# Altium PCB STM32_Controller.PcbDoc
Units mil, origin at the board's own origin, x right, y up, seen from the top; angles counter-clockwise.
Board outline 2204.72 x 1929.13 mil, 2 copper layers (Top Layer, Bottom Layer); 83 components, 55 nets, 215 pads, 49 vias.
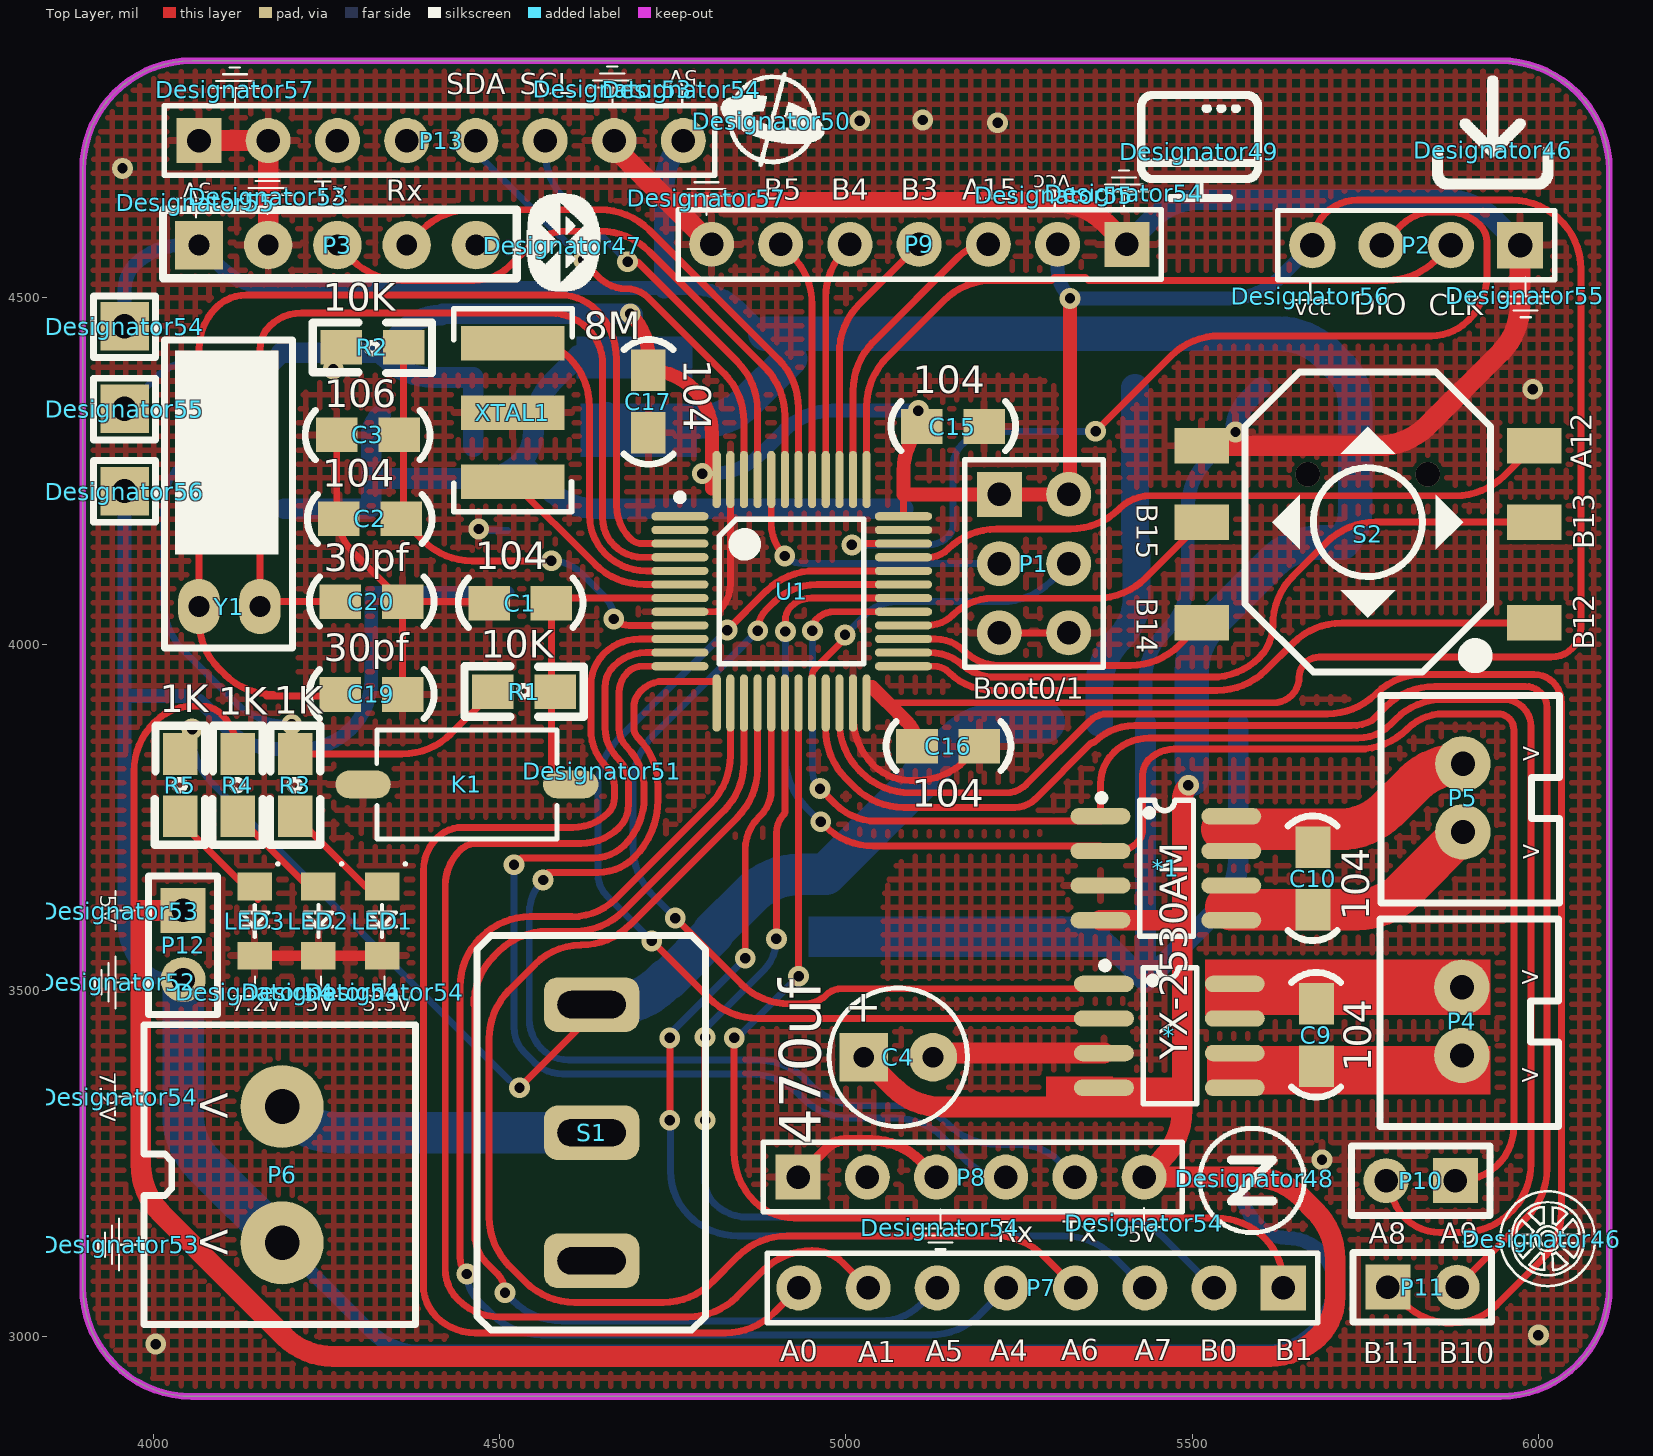
[diagram p0: Top Layer view]
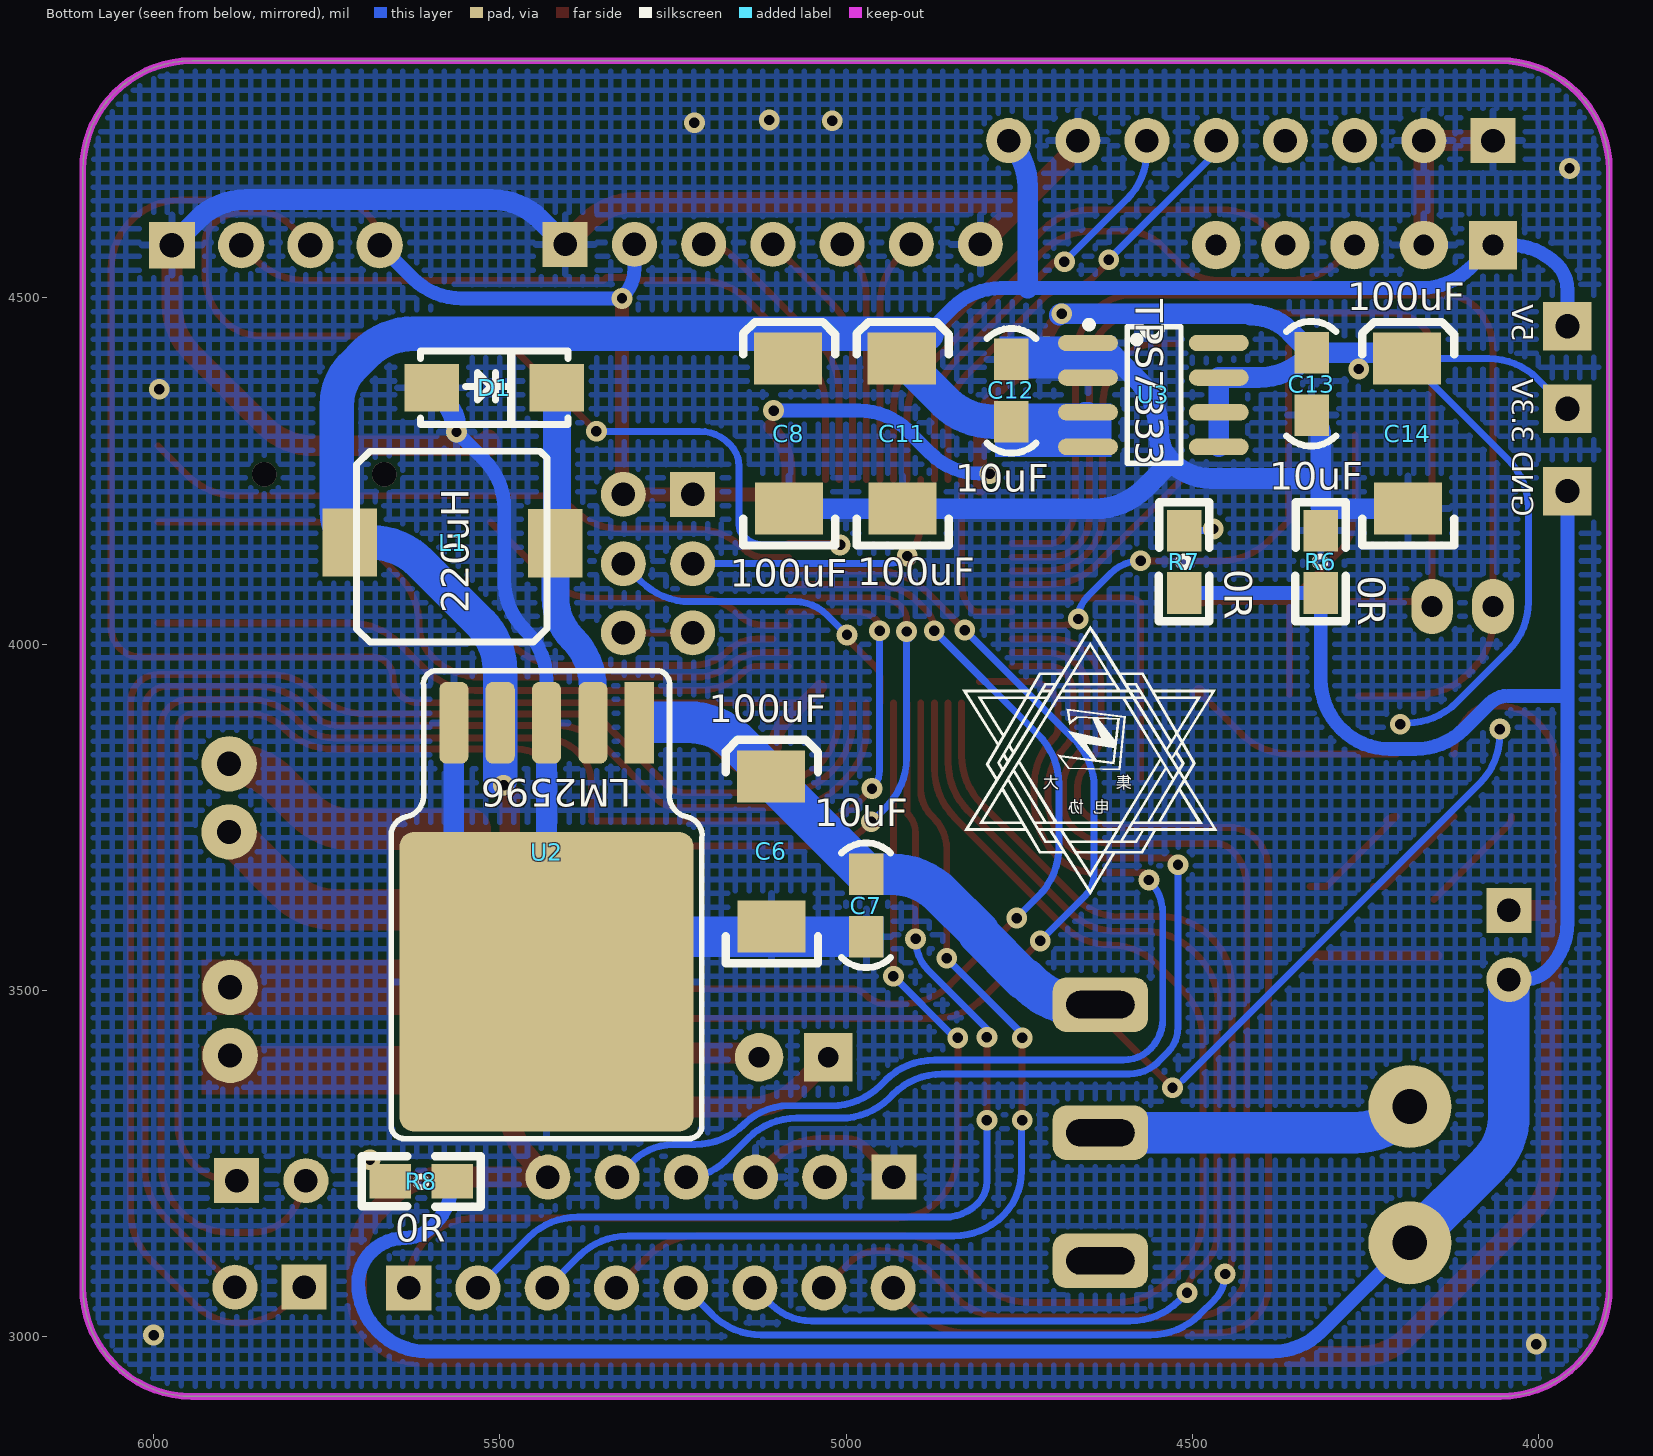
[diagram p1: Bottom Layer view, seen from below]

## Layer stack, top to bottom
Top Solder: solder mask 0.4, Solder Resist, Dk 3.5
Top Layer: signal copper 1.4
Dielectric 1: dielectric 12.6, FR-4, Dk 4.8
Bottom Layer: signal copper 1.4
Bottom Solder: solder mask 0.4, Solder Resist, Dk 3.5

## Board outline
3897.64,3070.87 3897.64,4685.04 cw(c4055.12,4685.04) 4055.12,4842.52 5944.88,4842.52 cw(c5944.88,4685.04) 6102.36,4685.04 6102.36,3070.87 cw(c5944.88,3070.87) 5944.88,2913.39 4055.12,2913.39 cw(c4055.12,3070.87)

## Design rules (kind name [scope] priority, off if disabled: settings)
Clearance [All] p1: gap=6
PolygonConnect [All] p1: connectstyle=Relief reliefconductorwidth=10 reliefentries=4 polygonreliefangle="90 Angle" airgapwidth=10
RoutingVias [All] p1: holewidth=28 width=50 viastyle="Through Hole" minholewidth=28 minwidth=50 maxholewidth=28 maxwidth=50
SolderMaskExpansion [All] p1: expansion=4
Width [All] p1: maxlimit=60 minlimit=10 preferedwidth=10 minimp=50.000000 maximp=50.000000 favimp=50.000000
30 further rules are at their usual default settings.

## Classes and differential pairs
component class STM32主控一体板: * *1 C1 C2 C3 C4 C6 C7 C8 C9 C10 C11 C12 C13 C14 C15 C16 C17 C19 C20 D1 K1 LED1 LED2 LED3 P1 P2 P3 P4 P5 P6 P7 P8 P9 P10 P11 P12 P13 R1 R2 R3 R4 R5 R6 R7 R8 S1 S2 U1 U2 U3 XTAL1 Y1

## Components (designator, comment, footprint, x,y, rotation, side; value= is the part's Value field where it differs from the comment)
* "YX-2530AM" SOP-8 5374.01,3508.26 r0 top
*1 "YX-2530AM" SOP-8 5369.03,3750.26 r0 top
C1 "104" 0805C 4489.52,4059.26 r0 top
C2 "104" 0805C 4352.52,4181.26 r180 top
C3 "106" 0805C 4349.52,4302.26 r180 top
C4 "470uf" RB.1.2 5025.52,3403.26 r0 top
C6 "100uF" TAJ-C 5108.52,3808.99 r90 bottom
C7 "10uF" 0805C 4970.52,3582.26 r90 bottom
C8 "100uF" TAJ-C 5083.52,4412.26 r90 bottom
C9 "104" 0805C 5679.52,3395.26 r90 top
C10 "104" 0805C 5674.52,3621.26 r90 top
C11 "100uF" TAJ-C 4919.52,4412.26 r90 bottom
C12 "10uF" 0805C 4761.52,4406.26 r270 bottom
C13 "10uF" 0805C 4327.52,4335.62 r90 bottom
C14 "100uF" TAJ-C 4189.52,4412.26 r90 bottom
C15 "104" 0805C 5114.52,4314.26 r0 top
C16 "104" 0805C 5107.52,3852.26 r0 top
C17 "104" 0805C 4714.52,4390.26 r270 top
C19 "30pf" 0805C 4274.52,3927.26 r0 top
C20 "30pf" 0805C 4274.52,4061.26 r0 top
D1 "D" SMA/DO-214AC 5591.52,4369.26 r180 bottom
Designator46 "Comment" LOGO_Wheel 6005,3141 r0 top
Designator46 "Comment" LOGO_Load 5935,4714 r0 top
Designator47 "Comment" LOGO_Buletooth 4591,4576 r0 top
Designator48 "Comment" LOGO_Zigbee 5590.55,3228.35 r0 top
Designator49 "Comment" LOGO_Display 5510,4712 r0 top
Designator50 "Comment" LOGO_Gyro 4893,4756 r0 top
Designator51 "Comment" 电协LOGO 4648,3817 r0 top
Designator52 "Comment" LOGO_GND 3947,3512 r270 top
Designator53 "Comment" LOGO_GND 3952,3133 r270 top
Designator53 "Comment" LOGO_Vcc 3951,3615 r270 top
Designator53 "Comment" LOGO_GND 4663,4802 r180 top
Designator53 "Comment" LOGO_GND 4165,4647 r180 top
Designator54 "Comment" LOGO_Vcc 4763,4801 r180 top
Designator54 "Comment" LOGO_Vcc 3950,3346 r270 top
Designator54 "Comment" LOGO_GND 5402,4652 r180 top
Designator54 "Comment" LOGO_Vcc 5431,3164 r0 top
Designator54 "Comment" LOGO_GND 5136,3158 r0 top
Designator54 "Comment" LOGO_Vcc 4242,3498 r0 top
Designator54 "Comment" LOGO_Vcc 4147,3498 r0 top
Designator54 "Comment" LOGO_Vcc 4334,3498 r0 top
Designator54 "Comment" "HEADER 1" 3963,4459 r0 top
Designator55 "Comment" LOGO_Vcc 4061,4638 r180 top
Designator55 "Comment" LOGO_Vcc 5301,4649 r180 top
Designator55 "Comment" LOGO_GND 5981,4504 r0 top
Designator55 "Comment" "HEADER 1" 3963,4340 r0 top
Designator56 "Comment" LOGO_Vcc 5671,4503 r0 top
Designator56 "Comment" "HEADER 1" 3963,4221 r0 top
Designator57 "Comment" LOGO_GND 4799,4645 r180 top
Designator57 "Comment" LOGO_GND 4118,4801 r180 top
K1 "Key" 贴片按键 4596.81,3800.06 r180 top
L1 "220uH" "电感 220uh" 5421.52,4148.26 r0 bottom
LED1 "LED" 0805LED(RED) 4335,3647 r270 top
LED2 "LED" 0805LED(GREEN) 4240.02,3647.98 r270 top
LED3 "LED" 0805LED(BLUE) 4148,3645.03 r270 top
P1 "Header 3X2" "Header 3X2" 5218.58,4217.78 r0 top
P2 "Header 4" "Header 4(排母)" 5974.9,4576.85 r180 top
P3 "Header 5" "Header 5" 4065.52,4576.32 r90 top
P4 "2PIN" 接线端子(2.54mm)-2PIN 5887.08,3400.42 r90 top
P5 "2PIN" 接线端子(2.54mm)-2PIN 5888.52,3723.26 r90 top
P6 "2PIN" 接线端子-2P-5.0MM 4189.46,3320.3 r270 top
P7 "Header 8" "Header 8" 5331.52,3070.09 r270 top
P8 "Header 6" "Header 6" 4930.77,3231.28 r90 top
P9 "Header 7" "Header 7" 5104.52,4577.26 r270 top
P10 "Header 2" "Header 2" 5777.99,3225.81 r270 top
P11 "Header 2" "Header 2" 5884.52,3070.34 r90 top
P12 "Header 2" "Header 2" 4041.71,3513.25 r0 top
P13 "Header 8" "Header 8" 4365.52,4727.26 r90 top
R1 "10K" 0805R 4575.52,3932.26 r180 top
R2 "10K" 0805R 4275.52,4427.26 r0 top
R3 "1K" 0805R 4203.52,3836.75 r270 top
R4 "1K" 0805R 4120.52,3836.75 r270 top
R5 "1K" 0805R 4037.52,3836.75 r270 top
R6 "0R" 0805R 4315.52,4159.26 r270 bottom
R7 "0R" 0805R 4512.72,4159.26 r270 bottom
R8 "0R" 0805R 5654.01,3223.06 r180 bottom
S1 "钮子开关" 钮子开关(大) 4631.52,3113.22 r90 top
S2 "按键" 5轴按键 5752.52,4179.26 r180 top
U1 "STM32F103C8T6" LQFP-48 4921.52,4076.26 r0 top
U2 "LM2596" TO-263-5 5435.27,3512.13 r0 bottom
U3 "TPS7333" SOP-8 4649.03,4433.86 r180 bottom
XTAL1 "8M" 三脚贴片8M晶振 4516.16,4434.5 r0 top
Y1 "XTAL" CAS-309 4092.52,4050.26 r180 top

## Footprints (in the part's own frame and the unit in brackets; to place one, negate y for a bottom-side part, rotate by r counter-clockwise, add the part's x,y. Pads: shape width x height; smd on the part's side, far side on the other; paste and mask are expansions set on the pad)
5轴按键 [mm]
  rect 2x1.3 smd: 1(-6.128,3.778) 2(-6.128,0.078) 3(-6.128,-2.722) 4(6.072,3.778) 5(6.072,0.078) 6(6.072,-2.722)
  silkscreen extent -4.53,-5.42 4.47,5.58
0805C [mil]
  rect 60x50 smd: 1(-5,0) 2(85,0)
  silkscreen extent -50,-35 131,36, body extent -16,-26 102,29, height 37
0805LED(BLUE) [mil]
  rect 40x50 smd: 1(-4.95,-2) 2(95.05,-2)
  silkscreen extent -39,-22 68,33, body extent 3,-29 85,25, height 31
0805LED(GREEN) [mil]
  rect 40x50 smd: 1(-2,-2) 2(98,-2)
  silkscreen extent -36,-22 71,33, body extent 7,-27 87,23, height 43
0805LED(RED) [mil]
  rect 40x50 smd: 1(-2.98,-4.95) 2(97.02,-4.95)
  silkscreen extent -37,-25 70,31, body extent 13,-25 80,11, height 35
0805R [mil]
  rect 60x50 smd: 1(-4.51,1.2) 2(85.49,1.2)
  silkscreen extent -46,-36 126,37, body extent -6,-25 84,29, height 30
CAS-309 [mil]
  oval 60x80 hole 30: 1(-61,-4) 2(27,-4)
  silkscreen extent -108,-389 77,56, body extent -75,-390 43,58, height 118
"HEADER 1" [mil]
  rect 70x70 hole 35: 1(-5,0)
  silkscreen extent -50,-45 40,44
"Header 2" [mil]
  rect 65x65 hole 34: 1(0.81,102.01)
  round 65 hole 34: 2(0.81,2.01)
  silkscreen extent -49,-48 51,152, body extent -46,-50 54,150, height 315
"Header 3X2" [mil]
  rect 65x65 hole 34: 1(2.94,-1.52)
  round 65 hole 34: 2(102.94,-1.52) 3(2.94,-101.52) 4(102.94,-101.52) 5(2.94,-201.52) 6(102.94,-201.52)
  silkscreen extent -47,-252 153,48, body extent -46,-254 154,46, height 338
"Header 4(排母)" [mm]
  rect 1.7x1.7 hole 0.9: 1(0.035,0.015)
  round 1.7 hole 0.9: 2(2.575,0.015) 3(5.115,0.015) 4(7.655,0.015)
  silkscreen extent -1.23,-1.25 8.93,1.29, body extent -1.23,-1.25 8.93,1.29, height 8.5
"Header 5" [mil]
  rect 70x70 hole 30: 1(0,0)
  round 70 hole 30: 2(0,-100) 3(0,-200) 4(0,-300) 5(0,-400)
  silkscreen extent -48,-459 51,52, body extent -51,-450 49,50, height 336
"Header 6" [mil]
  rect 65x65 hole 34: 1(-1.02,0.06)
  round 65 hole 34: 2(-1.02,-99.94) 3(-1.02,-199.94) 4(-1.02,-299.94) 5(-1.02,-399.75) 6(-1.02,-499.75)
  silkscreen extent -51,-555 49,50, body extent -50,-554 50,46, height 336
"Header 7" [mil]
  rect 65x65 hole 34: 1(0,301)
  round 65 hole 34: 2(0,201) 3(0,101) 4(0,1) 5(0,-98.8) 6(0,-198.8)
  round 65 hole 34 paste+0: 7(0,-298.61)
  silkscreen extent -50,-347 50,351, body extent -50,-349 50,351, height 336
"Header 8" [mil]
  rect 65x65 hole 34: 1(0,300)
  round 65 hole 34: 2(0,200) 3(0,100) 4(0,0) 5(0,-99.8) 6(0,-199.8) 8(0,-399.61)
  round 65 hole 34 paste+0: 7(0,-299.61)
  silkscreen extent -50,-445 50,350, body extent -49,-451 51,349, height 336
LOGO_Buletooth [mil]
  silkscreen extent -52,-66 54,75
LOGO_Display [mil]
  silkscreen extent -89,-72 90,87
LOGO_GND [mil]
  silkscreen extent -37,-32 38,26
LOGO_Gyro [mil]
  silkscreen extent -74,-66 76,70
LOGO_Load [mil]
  silkscreen extent -88,-57 86,107
LOGO_Vcc [mil]
  silkscreen extent -28,-6 27,21
LOGO_Wheel [mil]
  silkscreen extent -61,-69 79,70
LOGO_Zigbee [mil]
  silkscreen extent -82,-80 74,75
LQFP-48 [mm]
  oval 2.1x0.3 smd: 1(-4.1,2.75) 2(-4.1,2.25) 3(-4.1,1.75) 4(-4.1,1.25) 5(-4.1,0.75) 6(-4.1,0.25) 7(-4.1,-0.25) 8(-4.1,-0.75) 9(-4.1,-1.25) 10(-4.1,-1.75) 11(-4.1,-2.25) 12(-4.1,-2.75) 25(4.1,-2.75) 26(4.1,-2.25) 27(4.1,-1.75) 28(4.1,-1.25) 29(4.1,-0.75) 30(4.1,-0.25) 31(4.1,0.25) 32(4.1,0.75) 33(4.1,1.25) 34(4.1,1.75) 35(4.1,2.25) 36(4.1,2.75)
  oval 0.3x2.1 smd: 13(-2.75,-4.1) 14(-2.25,-4.1) 15(-1.75,-4.1) 16(-1.25,-4.1) 17(-0.75,-4.1) 18(-0.25,-4.1) 19(0.25,-4.1) 20(0.75,-4.1) 21(1.25,-4.1) 22(1.75,-4.1) 23(2.25,-4.1) 24(2.75,-4.1) 37(2.75,4.1) 38(2.25,4.1) 39(1.75,4.1) 40(1.25,4.1) 41(0.75,4.1) 42(0.25,4.1) 43(-0.25,4.1) 44(-0.75,4.1) 45(-1.25,4.1) 46(-1.75,4.1) 47(-2.25,4.1) 48(-2.75,4.1)
  silkscreen extent -4.22,-2.65 2.65,3.57, body extent -4.5,-4.5 4.5,4.5, height 1.5
RB.1.2 [mil]
  rect 70x70 hole 30: 1(0,0)
  round 70 hole 30: 2(100,0)
  silkscreen extent -50,-100 150,100, body extent -28,-73 130,85, height 278
SMA/DO-214AC [mm]
  rect 2x1.75 smd: 1(-0.178,0.025) 2(4.422,0.025)
  silkscreen extent -0.58,-1.32 4.82,1.38, body extent -0.38,-1.32 4.73,1.35, height 2.12
SOP-8 [mm]
  oval 2.2x0.6 smd: 1(-0.038,0.025) 2(-0.038,-1.245) 3(-0.038,-2.515) 4(-0.038,-3.785) 5(4.762,-3.785) 6(4.762,-2.515) 7(4.762,-1.245) 8(4.762,0.025)
  silkscreen extent -0.12,-4.38 3.37,0.82, body extent -0.62,-4.33 5.38,0.58, height 1.7
TAJ-C [mm]
  rect 1.905x2.5 smd: 1(0,0) 2(-5.505,-0.025)
  silkscreen extent -6.86,-1.73 1.35,1.65, body extent -5.77,-1.67 0.23,1.53, height 2.6
TO-263-5 [mm]
  rect 1.07x3 smd: 1(-3.47,-9.503)
  rrect50% 1.07x3 smd: 2(-1.77,-9.503) 3(-0.07,-9.503) 4(1.63,-9.503) 5(3.33,-9.503)
  rrect10% 10.8x11 smd: 6(-0.07,-0.003)
  silkscreen extent -5.77,-11.41 5.63,5.75, body extent -5.21,-9.55 5.02,4.8, height 4.48
三脚贴片8M晶振 [mm] "CSTCC8M00G53-RO"
  rect 3.8x1.27 smd: 1(0.06,-0.006) 2(0.06,-5.086) 3(0.06,-2.546)
  silkscreen extent -2.1,-6.18 2.24,1.26, body extent -1.72,-6.23 1.84,1.26, height 1.5
接线端子(2.54mm)-2PIN [mil]
  round 80 hole 35: 1(5.42,-2.44) 2(103.84,-2.44)
  silkscreen extent -97,-142 202,116, body extent -49,-139 151,111, height 460
接线端子-2P-5.0MM [mil]
  round 120 hole 50: 1(-11.81,-3.94) 2(185.04,-3.94)
  silkscreen extent -130,-203 303,189, body extent -106,-154 287,161, height 433
电协LOGO [mil]
"电感 220uh" [mm]
  rect 2x2.5 smd: 1(-0.048,0.065) 2(7.496,0.04)
  silkscreen extent 0.26,-3.31 7.25,3.69, body extent 0.2,-3.4 7.32,3.71, height 4
贴片按键 [mil]
  oval 80x40 smd: 1(-5.71,2.8) 2(294.29,2.8)
  silkscreen extent 14,-76 274,82, body extent 24,-69 264,77, height 98
钮子开关(大) [mm]
  rrect50% 2x3.5 hole 1 slot 2.5 at 90 deg: 1(-0.102,-0.025) 2(4.598,-0.025) 3(9.298,-0.025)
  silkscreen extent -2.64,-4.21 11.83,4.17

## Part data
C1 C2 C3 C7 C9 C10 C12 C13 C15 C16 C17 C19 C20: library part Cap1, "无极贴片电容"
C4: library part Cap3, "直插极性电容"
C6 C8 C11 C14: library part "Pol Cap", "极性贴片电容"
D1: library part Diode, "二极管"
K1: library part 轻触按键, "轻触开关"
L1: library part L, "电感"
LED1 LED2 LED3: "发光二极管"
P1: "双排排针"
P2 P3 P7 P8 P9 P10 P11 P12 P13: "排针"
P4 P5 P6: library part 接线端子-2PIN
R1 R2 R3 R4 R5 R6 R7 R8: library part Res, "电阻"
S1: "大功率开关"
S2: library part 5轴按键, "5轴按键"
U1: "STM32单片机48引脚"
U2: "5V电源芯片"
U3: "3.3V电源芯片"
XTAL1: library part XTAL三脚贴片晶振
Y1: "两脚直插晶振"

## Via types
v1: diameter 30, hole 15, Top Layer to Bottom Layer, 47 vias
v2: diameter 35.43, hole 35.43, Top Layer to Bottom Layer, 2 vias

## Nets (pads, with @x,y where several pads share a name; then routed paths per layer and width w, separated by ;. In a path a pad name is that pad's centre, name@x,y a point inside that pad or via, vN(x,y) a via of type N, cw(c..) or ccw(c..) an arc to the next point about the centre after c; other vN are vias at no path point)
3.3V: C13.2 C14.1 C15.1 C16.1 C17.1 Designator55.1 P1.1 P1.2 P2.4 P9.2 R1.2 R2.1 R3.1 U1.24 U1.36 U1.48 U3.5 U3.6 U3.7 | length 6039.5
  Top Layer w10: R3.1 4358.81,3841.26 ccw(c4358.81,3941.26) 4429.53,3870.55 R1.2 ; v1(4259.52,4397.26) 4259.52,4400.73 cw(c4298.74,4400.73) R2.1 ; 5059.52,3916.26 ccw(c5060.52,3916.26) 5060.52,3915.26 5617.52,3915.26 ccw(c5617.52,3952.26) 5654.52,3952.26 cw(c5683.52,3952.26) 5683.52,3981.26 6018.52,3981.26 ccw(c6018.52,4024.26) 6061.52,4024.26 6061.52,4541.26 ccw(c5961.52,4541.26) 5961.52,4641.26 5738.52,4641.26 ccw(c5738.52,4576.26) P2.4 ; U1.36 5082.94,4216.26
  Top Layer w20: R1.2 ccw(c4493.19,3931.06) R1.2@4490.96,3928.82 ; v1(4688.52,4477.26) cw(c4625.75,4414.49) 4714.52,4414.49 C17.1 cw(c4714.52,4303.26) 4806.52,4303.26 4806.52,4224.26 ; 5037.52,3938.26 5059.52,3916.26 ; 5060.52,3915.26 5087.67,3888.11 cw(c5051.82,3852.26) C16.1 ; C15.1 ccw(c5173.7,4250.08) 5082.94,4250.08 5082.94,4216.26 P1.1 P1.2 5324.52,4219.26 5323.52,4220.26 v1(5323.52,4499.26)
  Bottom Layer w10: Designator55.1 4000.97,4382.97 cw(c4071.68,4312.26) 4071.68,4412.26 C14.1 4043.81,4266.55 ccw(c4114.52,4195.84) 4014.52,4195.84 4014.52,4060.68 ccw(c4114.52,4060.68) 4043.81,3989.97 4118.23,3915.55 ccw(c4188.94,3986.26) v1@4188.94,3886.26 ; v1(4259.52,4397.26) 4259.52,4420.62
  Bottom Layer w20: v1(4792.52,4246.26) 4807.1,4246.26 ccw(c4807.1,4346.26) 4877.81,4275.55 4910.23,4307.97 cw(c4980.94,4237.26) 4980.94,4337.26 v1(5104.52,4337.26) ; P9.2 5305.52,4541.89 ccw(c5360.15,4541.89) 5321.52,4503.26 v1@5323.52,4501.26 ; v1@5324.52,4500.26 v1@5323.52,4501.26 ; P2.4 5625.81,4528.55 cw(c5555.1,4599.26) 5555.1,4499.26 v1(5323.52,4499.26) v1@5323.52,4501.26
  Bottom Layer w30: C14.1@4184.52,4420.62 4259.52,4420.62 C13.2 ; U3.5 U3.6 U3.7 4404.7,4384.86 cw(c4404.7,4484.86) 4333.99,4414.15 C13.2 ; v1@4692.11,4475.26 4690.11,4477.26 v1(4688.52,4477.26) 4417.52,4477.26 4415.52,4475.26 ccw(c4415.52,4394.72) 4358.57,4451.67 C13.2
  other v1: 4199.52,3884.26
5V: *1.4 *.4 C4.1 C8.1 C11.1 C12.2 Designator54.1 L1.2 P3.1 P8.6 P12.1 P13.8 R4.1 U2.4 U3.3 U3.4 | length 7717.7
  Top Layer w10: 3971.52,3527.26 3971.52,3815.84 cw(c4071.52,3815.84) 4000.81,3886.55 4002.52,3888.26 cw(c4055.63,3835.15) 4055.63,3910.26 4070.53,3910.26 cw(c4070.53,3871.65) 4097.83,3898.95 cw(c4040.14,3841.26) R4.1
  Top Layer w30: P12.1 3981.52,3615.26 3981.52,3248.68 ccw(c4081.52,3248.68) 4010.81,3177.97 4188.23,3000.55 ccw(c4258.94,3071.26) 4258.94,2971.26 5612.1,2971.26 ccw(c5612.1,3071.26) 5682.81,3000.55 ccw(c5625.57,3057.79) 5706.52,3057.79 5706.52,3111.25 ccw(c5607.51,3111.25) 5677.52,3181.26 5657.81,3200.97 ccw(c5587.1,3130.26) 5587.1,3230.26 P8.6 5456.23,3255.97 ccw(c5385.52,3326.68) 5485.52,3326.68 ; C4.1 5068.23,3360.55 ccw(c5138.94,3431.26) 5138.94,3331.26 5474.47,3331.26 cw(c5474.47,3315.63) 5485.52,3326.68 ; *1.4 5485.52,3601.26 ; *.4 5485.52,3359.26 ; 5487.52,3601.26 5485.52,3601.26 ; v1@5494.5,3796.24 ccw(c5516.25,3774.53) 5485.52,3774.53 5485.52,3601.26 ; 5485.52,3326.68 5485.52,3359.26 ; 5485.52,3359.26 5485.52,3601.26